# Altium PCB Bran_Main_Assay_PCB_v2.PcbDoc (part 13 of 15)
Units mil, origin at the board's own origin, x right, y up, seen from the top; angles counter-clockwise.
Board outline 3608.46 x 1899.79 mil, 6 copper layers (TOP, GND1, Singal, POWER, GND2, BOTTOM), stack 31.508 mil thick; 363 components, 288 nets, 1386 pads, 975 vias.
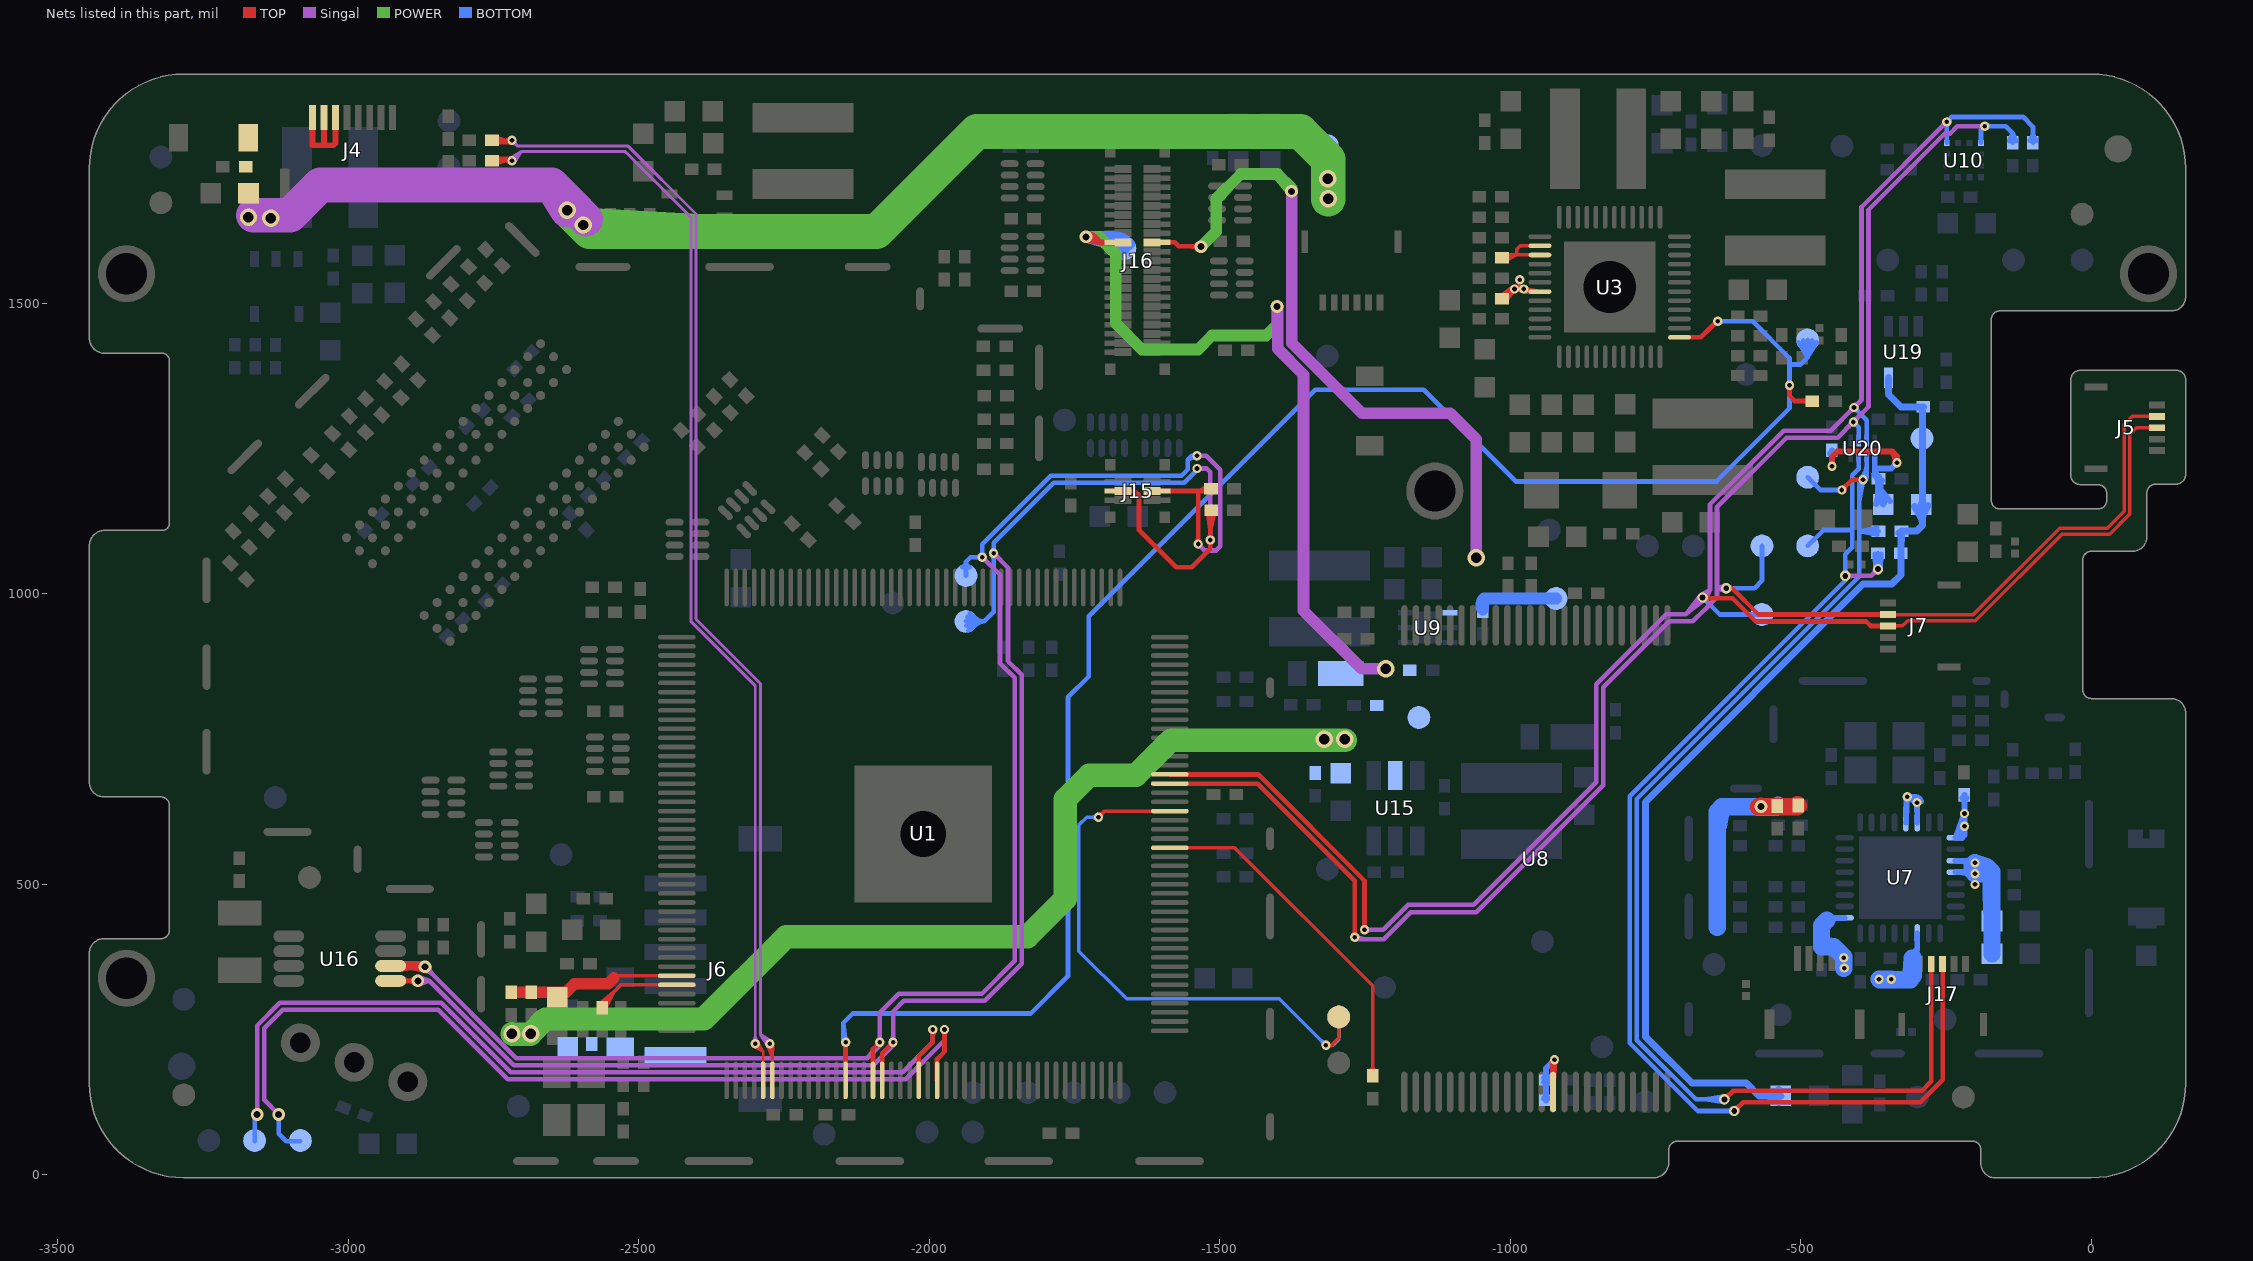
[diagram p17: the nets of this part, all layers, seen from the top]

## Via types
v1: diameter 16, hole 8, TOP to BOTTOM, tented both sides, 431 vias
v2: diameter 18, hole 10, TOP to BOTTOM, tented both sides, 257 vias
v3: diameter 22, hole 12, TOP to BOTTOM, tented both sides, 194 vias
v4: diameter 30, hole 18, TOP to BOTTOM, tented both sides, 69 vias
v5: diameter 24, hole 13, TOP to BOTTOM, tented both sides, 11 vias
v6: diameter 19.68, hole 7.87, TOP to BOTTOM, 9 vias
v7: diameter 22, hole 2, TOP to BOTTOM, tented both sides, 2 vias
v8: diameter 17.99, hole 10, TOP to BOTTOM, tented both sides, 1 vias
v9: diameter 20, hole 10, TOP to BOTTOM, tented both sides, 1 vias

## Nets (pads, with @x,y where several pads share a name; then routed paths per layer and width w, separated by ;. In a path a pad name is that pad's centre, name@x,y a point inside that pad or via, vN(x,y) a via of type N, cw(c..) or ccw(c..) an arc to the next point about the centre after c; other vN are vias at no path point) (continued)
TWI0-SDA: R7.2 TP6.1 U1.102 U3.1 | length 3926.7
  TOP w5: v1@-2144.29,228.03 v1(-2144.02,228.31)
  TOP w8: v1@-2146.84,225.48 cw(c-2153.01,219.31) -2144.29,219.31 ; U1.102@-2144.29,162.71 v1@-2144.29,228.03 ; U1.102@-2144.29,191.26 -2144.29,219.19 v1(-2144.02,228.31) ; -2144.29,217.99 cw(c-2133.7,217.99) v1@-2141.19,225.48 ; U3.1@-708.94,1441.69 -671.96,1441.69 ; U3.1@-693.19,1441.69 -671.96,1441.69 ; -668.62,1445.03 v1(-643.16,1469.17) -644.48,1469.17 -671.96,1441.69 ; -652.25,1461.4 cw(c-643.16,1452.31) v1@-643.16,1465.17 ; v1@-522.29,1356.17 cw(c-529.12,1349.34) -519.46,1349.34 cw(c-509.81,1349.34) v1@-516.64,1356.17 ; R7.2@-486.25,1327.87 ccw(c-496.22,1317.89) -496.22,1332 ccw(c-496.22,1346.1) R7.2@-486.25,1336.13 ; R7.2@-484.01,1326.47 -492.57,1332.48 ; R7.2@-484.01,1337.53 -492.57,1331.52 ; R7.2@-483.49,1326.32 -492.57,1331.52 ; R7.2@-483.49,1337.68 -492.57,1332.48 ; R7.2@-479.15,1332 R7.2@-480.15,1332 -510.46,1332 -519.46,1341 ; v1(-2144.02,228.31) -2144.29,196.3 v1(-2144.02,228.31) ; -519.46,1341 v1(-519.46,1359) -519.46,1341 ; -492.57,1331.52 -482.12,1332 -492.57,1332.48
  BOTTOM w8: -2148.45,248.67 ccw(c-2123.66,248.67) v1@-2141.19,231.14 ; -2147.6,242.25 v1(-2144.02,228.31) ; v1(-643.16,1469.17) -582.63,1469.17 -519.46,1406 -519.46,1395 ; v1@-640.33,1466.34 cw(c-633.5,1459.51) -633.5,1469.17 cw(c-633.5,1478.82) v1@-640.33,1471.99 ; v1@-522.29,1356.17 cw(c-529.12,1349.34) -519.46,1349.34 cw(c-509.81,1349.34) v1@-516.64,1356.17 ; v1@-522.29,1361.83 ccw(c-529.12,1368.66) -519.46,1368.66 ccw(c-509.81,1368.66) v1@-516.64,1361.83 ; -519.46,1327 v1(-519.46,1359) ; TP6.1@-503.32,1432.87 -488.19,1407.28 ; TP6.1@-503.23,1432.57 -490.19,1416.07 ; TP6.1@-502.12,1429.8 -486.19,1416.07 ; TP6.1@-497.04,1424.06 cw(c-508.52,1407.28) -488.19,1407.28 ; TP6.1@-495.84,1436.33 -490.19,1416.07 ; TP6.1@-495.81,1436.01 -488.19,1407.28 ; TP6.1@-495.58,1434.89 -486.19,1416.07 ; TP6.1@-480.8,1434.89 -490.19,1416.07 ; TP6.1@-480.57,1436.01 -488.19,1407.28 ; TP6.1@-480.53,1436.33 -486.19,1416.07 ; TP6.1@-479.33,1424.06 ccw(c-467.85,1407.28) -488.19,1407.28 ; TP6.1@-474.26,1429.8 -490.19,1416.07 ; TP6.1@-473.14,1432.57 -486.19,1416.07 ; TP6.1@-473.06,1432.87 -488.19,1407.28 ; -2148.45,261.49 v1(-2144.02,228.31) ; -2148.45,261.49 -2132.13,277.81 -1825.5,277.81 -1761.45,341.86 -1761.45,821.83 -1725.45,857.83 -1725.45,961.92 -1335.87,1351.5 -1148.81,1351.5 -990.94,1193.64 -645.15,1193.64 -519.46,1319.32 v1(-519.46,1359) ; -2148.45,261.49 -2148.45,232.74 v1(-2144.02,228.31) ; v1(-519.46,1359) -519.46,1395 ; -519.46,1395 -500.46,1395 -488.19,1407.28 ; -490.19,1416.07 TP6.1@-488.19,1437.01 ; -488.19,1407.28 TP6.1@-488.19,1437.01 ; -488.19,1407.28 TP6.1@-488.19,1437.01 ; TP6.1@-488.19,1437.01 -486.19,1416.07
TWI1-SCK: J15.3 R6.2 TP28.1 U1.105 U16.6 | length 4078.7
  TOP w8: U16.6@-2927.25,359.83 U16.6@-2927.42,359.66 -2926.04,358.28 v3(-2868.18,358.28) ; U16.6@-2910.76,353.43 v3@-2876.83,358.28 ; U16.6@-2910.26,365.84 v3@-2876.83,358.28 ; U16.6@-2909.94,353.53 -2897.81,358.96 ; U16.6@-2909.3,365.64 -2897.81,358.96 ; U16.6@-2906.67,355.25 cw(c-2899.35,347.93) -2899.35,358.28 ; U16.6@-2906.67,364.07 ccw(c-2892.69,378.05) -2892.69,358.28 ; v3@-2873.13,353.33 ccw(c-2885.08,341.38) -2885.08,358.28 ccw(c-2885.08,375.18) v3@-2873.13,363.23 ; v3@-2870.44,351.66 -2880.71,358.86 ; v3@-2870.44,364.91 -2880.71,357.71 ; v3@-2870.03,351.53 U16.6@-2903.24,364.25 ; v3@-2869.83,351.48 -2880.71,357.71 ; v3@-2869.83,365.09 -2880.71,358.86 ; v3@-2869.09,351.34 U16.6@-2903.19,359.34 ; v3@-2868.88,351.32 U16.6@-2903.18,358.28 ; v3@-2868.88,365.25 U16.6@-2903.18,358.28 ; v3@-2868.67,365.27 U16.6@-2903.19,359.34 ; v3@-2867.69,365.27 U16.6@-2903.24,364.25 ; U1.105@-2097.04,162.71 -2097.04,216.72 ; U1.105@-2097.04,191.26 -2097.04,216.72 ; v1@-2089.45,228.31 cw(c-2099.11,228.31) -2092.28,221.48 cw(c-2085.45,214.65) v1@-2085.45,224.31 ; J15.3@-1589.37,1177.17 -1560.65,1177.17 ; v1@-1540.28,1088.66 ccw(c-1547.11,1095.48) -1537.45,1095.48 ccw(c-1527.79,1095.48) v1@-1534.62,1088.66 ; -1539.84,1177.17 ccw(c-1539.84,1203.48) R6.2@-1521.23,1184.87 ; v1(-1537.45,1085.83) -1537.45,1176.17 ; R6.2@-1519.1,1186.23 -1533.03,1178.06 ; R6.2@-1517.19,1174.9 -1533.03,1178.06 ; R6.2@-1517.1,1180.74 -1533.03,1178.06 ; R6.2@-1515.13,1180.74 -1518.71,1177.17 J15.3@-1593.5,1177.17 ; U16.6@-2903.24,364.25 v3(-2868.18,358.28) ; U16.6@-2903.18,358.28 v3(-2868.18,358.28) ; U16.6@-2903.19,359.34 v3(-2868.18,358.28) ; -2897.81,358.96 -2911.08,359.66 v3@-2876.83,358.28 ; -2880.71,357.71 v3(-2868.18,358.28) ; -2880.71,358.86 v3(-2868.18,358.28) ; -2097.04,216.72 v1(-2085.45,228.31) -2097.04,216.72 ; J15.3@-1593.5,1177.17 -1609.25,1177.17 -1597.64,1177.17 J15.3@-1616.73,1177.17 J15.3@-1593.5,1177.17
  Singal w8: v3@-2868.18,351.28 cw(c-2868.18,334.38) -2856.23,346.33 cw(c-2844.28,358.28) v3@-2861.18,358.28 ; v3(-2868.18,358.28) -2710.73,200.83 -2106.45,200.83 ; -2096.86,210.42 ccw(c-2114.75,228.31) v1@-2089.45,228.31 ; -2092.84,215.66 v1(-2085.45,228.31) ; v1@-2088.28,231.14 ccw(c-2095.11,237.96) -2085.45,237.96 ccw(c-2075.79,237.96) v1@-2082.62,231.14 ; v1@-1909.02,1059.31 cw(c-1909.02,1049.65) -1902.19,1056.48 cw(c-1895.36,1063.31) v1@-1905.02,1063.31 ; v1(-1909.02,1063.31) -1878.45,1032.74 -1878.45,880.98 -1853.02,855.55 -1853.02,368.28 -1909.46,311.83 -2052.45,311.83 -2085.45,278.83 v1(-2085.45,228.31) ; v1(-1539.45,1237.83) -1523.45,1237.83 -1499.45,1213.83 -1499.45,1081.83 -1506.45,1074.83 -1526.45,1074.83 v1(-1537.45,1085.83) ; v1@-1537.45,1081.83 cw(c-1537.45,1072.17) -1530.62,1079 cw(c-1523.79,1085.83) v1@-1533.45,1085.83 ; v1@-1536.62,1235 cw(c-1529.79,1228.17) -1529.79,1237.83 cw(c-1529.79,1247.48) v1@-1536.62,1240.66 ; -2106.45,200.83 v1(-2085.45,228.31) ; -2106.45,200.83 -2085.45,221.83 v1(-2085.45,228.31)
  BOTTOM w8: TP28.1@-1943.28,1045.87 ccw(c-1947.47,1055.46) -1937.01,1055.46 ; TP28.1@-1937.01,1031.5 -1937.01,1055.46 ; TP28.1@-1930.73,1045.87 cw(c-1926.55,1055.46) -1937.01,1055.46 ; v1@-1911.84,1060.48 ccw(c-1918.67,1053.65) -1918.67,1063.31 ccw(c-1918.67,1072.96) -1911.84,1066.14 ccw(c-1918.67,1072.96) -1909.02,1072.96 ccw(c-1899.36,1072.96) v1@-1906.19,1066.14 ; -1548.01,1234.7 v1(-1539.45,1237.83) ; v1@-1542.42,1235.15 ccw(c-1548.45,1229.7) -1548.45,1237.83 ; v1@-1542.42,1240.51 cw(c-1548.45,1245.95) -1548.45,1237.83 ; v1@-1540.82,1234.07 ccw(c-1545.59,1220.97) -1555.45,1230.83 ; -1937.01,1055.46 -1929.16,1063.31 ; -1929.16,1063.31 v1(-1909.02,1063.31) ; -1929.16,1063.31 v1(-1909.02,1063.31) ; v1(-1909.02,1063.31) -1909.02,1085.42 -1790.85,1203.58 -1566.06,1203.58 -1555.45,1214.2 -1555.45,1230.83 ; -1555.45,1230.83 v1(-1539.45,1237.83) ; -1555.45,1230.83 -1548.45,1237.83 ; -1548.45,1237.83 v1(-1539.45,1237.83) ; -1548.45,1237.83 v1(-1539.45,1237.83) ; -1548.45,1237.83 v1(-1539.45,1237.83)
TWI1-SDA: J15.4 R5.2 TP29.1 U1.106 U16.5 | length 4031.2
  TOP w5: J15.4@-1689.96,1177.17 J15.4@-1666.73,1177.17 J15.4@-1685.83,1177.17 ; J15.4@-1684.25,1175.59 cw(c-1680.46,1171.8) -1680.46,1177.17 cw(c-1680.46,1182.54) J15.4@-1684.25,1178.74
  TOP w8: U16.5@-2925.89,335.59 U16.5@-2927.42,334.07 -2927.35,334 v3(-2880.46,334) -2892.99,334.58 ; U16.5@-2911.08,334.07 -2899.81,334.52 ; U16.5@-2909.6,340.13 -2899.81,334.52 ; U16.5@-2909.12,328.15 -2899.81,334.52 ; U16.5@-2906.67,329.66 cw(c-2896.19,319.19) -2896.19,334 ; U16.5@-2906.67,338.48 ccw(c-2895.85,349.3) -2895.85,334 ; v3@-2885.41,329.05 ccw(c-2897.36,317.1) -2897.36,334 ccw(c-2897.36,350.9) v3@-2885.41,338.95 ; v3@-2882.73,327.38 -2892.99,334.58 ; v3@-2882.11,340.8 -2892.99,334.58 ; U1.106@-2081.3,162.71 -2081.3,209.46 ; U1.106@-2081.3,191.26 -2081.3,209.46 ; v1@-2066.45,228.31 cw(c-2076.11,228.31) -2069.28,221.48 cw(c-2062.45,214.65) v1@-2062.45,224.31 ; J15.4@-1666.73,1177.17 -1646.36,1177.17 ; J15.4@-1659.25,1177.17 -1646.36,1177.17 ; R5.2@-1522.6,1142.49 -1516.99,1132.77 ; R5.2@-1521.08,1139.86 cw(c-1532.27,1128.67) -1516.45,1128.67 ; R5.2@-1520.82,1143.74 -1516.45,1110.09 ; v1@-1519.28,1090 cw(c-1526.11,1083.17) -1516.45,1083.17 cw(c-1506.79,1083.17) v1@-1513.62,1090 ; v1@-1519.28,1095.66 ccw(c-1526.11,1102.48) -1516.45,1102.48 ccw(c-1506.79,1102.48) v1@-1513.62,1095.66 ; R5.2@-1516.95,1143.99 -1516.99,1132.77 ; -1516.45,1131.1 cw(c-1504.06,1131.1) R5.2@-1512.82,1139.86 ; R5.2@-1516.13,1146.74 -1516.45,1146.43 -1516.45,1143.99 v1(-1516.45,1092.83) ; R5.2@-1514.98,1143.99 -1516.45,1110.09 ; R5.2@-1511.32,1142.45 -1516.99,1132.77 ; R5.2@-1509.19,1143.24 -1516.45,1110.09 ; -2081.3,209.46 v1(-2062.45,228.31) -2081.3,209.46 ; -1646.36,1177.17 -1639.1,1169.91 -1639.1,1109.8 -1575.3,1045.99 -1548.07,1045.99 -1516.45,1077.61 ; -1516.45,1077.61 v1(-1516.45,1092.83) ; -1516.45,1077.61 v1(-1516.45,1092.83)
  Singal w8: v3@-2879.21,327.11 -2860.87,334 ; v3@-2879.21,340.89 -2860.87,334 ; v3@-2878.82,327.2 -2867.94,333.42 ; v3@-2878.82,340.8 -2867.94,334.58 ; v3@-2878.2,327.38 -2867.94,334.58 ; v3@-2878.2,340.62 -2867.94,333.42 ; v3@-2875.51,329.05 cw(c-2863.57,317.1) -2863.57,334 cw(c-2863.57,350.9) v3@-2875.51,338.95 ; -2084.61,200.67 v1(-2062.45,228.31) ; -2073.15,212.12 ccw(c-2089.34,228.31) v1@-2066.45,228.31 ; -2069.51,216.86 v1(-2062.45,228.31) ; v1@-2065.28,231.14 ccw(c-2072.11,237.96) -2062.45,237.96 ccw(c-2052.79,237.96) v1@-2059.62,231.14 ; v1@-1889.45,1065.83 cw(c-1889.45,1056.17) -1882.62,1063 cw(c-1875.79,1069.83) v1@-1885.45,1069.83 ; v1(-1889.45,1069.83) -1864.65,1045.02 -1864.65,884.15 -1841.02,860.52 -1841.02,363.31 -1904.49,299.83 -2043.93,299.83 -2062.45,281.31 v1(-2062.45,228.31) ; v1(-1539.45,1215.83) -1522.45,1215.83 -1516.45,1209.83 v1(-1516.45,1092.83) ; v1@-1536.62,1213 cw(c-1529.79,1206.17) -1529.79,1215.83 cw(c-1529.79,1225.48) v1@-1536.62,1218.66 ; v1@-1519.28,1095.66 ccw(c-1526.11,1102.48) -1516.45,1102.48 ccw(c-1506.79,1102.48) v1@-1513.62,1095.66 ; v3(-2880.46,334) -2867.94,334.58 ; v3(-2880.46,334) -2867.94,333.42 ; v3(-2880.46,334) -2860.87,334 ; -2860.87,334 -2715.7,188.83 -2096.45,188.83 -2062.45,222.83 v1(-2062.45,228.31)
  BOTTOM w8: TP29.1@-1936.33,945.1 -1914.94,950.86 ; TP29.1@-1935.03,960.18 -1914.94,950.86 ; TP29.1@-1932.73,937.67 -1914.94,950.86 ; TP29.1@-1930.22,966.9 -1914.94,950.86 ; TP29.1@-1924.44,943.37 cw(c-1905.71,929.37) -1905.71,952.76 ; TP29.1@-1924.44,962.14 ccw(c-1905.71,976.14) -1905.71,952.76 ; v1@-1892.28,1067 cw(c-1899.11,1060.17) -1889.45,1060.17 cw(c-1879.79,1060.17) v1@-1886.62,1067 ; v1@-1892.28,1072.66 ccw(c-1899.11,1079.48) -1889.45,1079.48 ccw(c-1879.79,1079.48) v1@-1886.62,1072.66 ; -1889.45,1037.83 v1(-1889.45,1069.83) ; v1(-1539.45,1215.83) -1539.45,1213.23 -1561.09,1191.58 -1785.88,1191.58 -1889.45,1088.02 v1(-1889.45,1069.83) ; -1914.94,950.86 TP29.1@-1937.01,952.76 -1905.71,952.76 ; -1905.71,952.76 -1889.45,969.02 v1(-1889.45,1069.83)
TWI2-SCK: J5.3 J7.3 R4.2 TP35.1 U1.161 U10.1 U20.7 | length 4606.3
  TOP w6: J7.3@-349.59,944.89 -325.37,944.89 ; J7.3@-341.72,944.89 -325.37,944.89 ; J7.3@-339.66,942.83 cw(c-334.7,937.87) -334.7,944.89 cw(c-334.7,951.9) J7.3@-339.66,946.94 ; 80.92,1286 J5.3@104.83,1286 ; J5.3@102.77,1283.95 ccw(c97.81,1278.99) 97.81,1286 ccw(c97.81,1293.01) J5.3@102.77,1288.05 ; J5.3@112.7,1286 77.54,1286 66.54,1275 66.54,1137.86 31.68,1103 -50.46,1103 -199.46,954 -316.25,954 -325.37,944.89
  TOP w8: U1.161@-1586.22,689.28 -1433.69,689.28 -1251.02,506.61 v1(-1251.02,421.83) ; U1.161@-1557.67,689.28 -1529.74,689.28 ; v1@-1253.84,424.66 ccw(c-1260.67,431.49) -1251.02,431.49 ccw(c-1241.36,431.49) v1@-1248.19,424.66 ; v2(-669.02,993.83) -667.52,992.33 -617.63,992.33 -577.87,952.57 -387.13,952.57 -379.45,944.89 ; v2@-665.48,997.37 ccw(c-653.32,1009.53) -653.32,992.33 ; J7.3@-357.47,944.89 -379.45,944.89 ; J7.3@-349.59,944.89 -379.45,944.89
  Singal w8: v1(-1251.02,421.83) -1219.04,421.83 -1176.05,464.83 -1062.98,464.83 -852.02,675.79 -852.02,844.42 -731.44,965 -697.85,965 v2(-669.02,993.83) ; v1@-1248.19,419.01 cw(c-1241.36,412.18) -1241.36,421.83 cw(c-1241.36,431.49) v1@-1248.19,424.66 ; v2@-674.02,993.83 cw(c-686.09,993.83) -677.55,985.3 cw(c-669.02,976.76) v2@-669.02,988.83 ; v2@-672.78,997.12 -694.99,967.86 ; v2@-672.02,997.83 -656.35,1006.51 ; v2@-669.02,998.83 ccw(c-669.02,1010.91) -660.48,1002.37 ccw(c-651.94,993.83) v2@-664.02,993.83 ; v2@-665.73,990.07 -694.99,967.86 ; v2@-665.02,990.83 -656.35,1006.51 ; -433.44,1296.03 v1(-408.46,1321) ; v1@-412.46,1321 cw(c-422.12,1321) -415.29,1314.17 cw(c-408.46,1307.34) v1@-408.46,1317 ; v1@-408.46,1325 ccw(c-408.46,1334.66) -401.64,1327.83 ccw(c-394.81,1321) v1@-404.46,1321 ; -273.95,1787.52 v1(-248.98,1812.49) -395.46,1666 -395.46,1334 v1(-408.46,1321) ; v1@-252.98,1812.49 cw(c-262.63,1812.49) -255.8,1805.66 cw(c-248.98,1798.83) v1@-248.98,1808.49 ; -694.99,967.86 v2(-669.02,993.83) ; v2(-669.02,993.83) -656.35,1006.51 ; -656.35,1006.51 -656.35,1154.12 -529.64,1280.83 -448.64,1280.83 v1(-408.46,1321)
  BOTTOM w8: v2@-669.02,988.83 cw(c-669.02,976.76) -660.48,985.3 cw(c-651.94,993.83) v2@-664.02,993.83 ; v2(-669.02,993.83) -639.75,964.57 TP35.1@-566.93,964.57 ; v1@-408.46,1317 cw(c-408.46,1307.34) -401.64,1314.17 cw(c-394.81,1321) v1@-404.46,1321 ; v1(-408.46,1321) -386.57,1299.11 U20.7@-386.57,1264.19 ; U20.7@-386.57,1270.68 -386.57,1298.62 ; v1@-251.8,1809.66 cw(c-258.63,1802.83) -248.98,1802.83 cw(c-239.32,1802.83) v1@-246.15,1809.66 ; U10.1@-248.98,1776.35 v1(-248.98,1812.49) ; U10.1@-248.98,1776.85 v1@-248.98,1805.77 ; v1@-248.98,1816.49 ccw(c-248.98,1826.15) -242.15,1819.32 ccw(c-235.32,1812.49) v1@-244.98,1812.49 ; R4.2@-106.13,1779.85 -100.93,1788.93 ; R4.2@-105.98,1780.37 -99.97,1788.93 ; R4.2@-104.58,1782.61 ccw(c-114.55,1792.59) -100.45,1792.59 ccw(c-86.34,1792.59) R4.2@-96.32,1782.61 ; R4.2@-100.45,1776.51 -100.45,1804 -117.45,1821 -240.46,1821 v1(-248.98,1812.49) ; R4.2@-94.92,1780.37 -100.93,1788.93 ; R4.2@-94.77,1779.85 -99.97,1788.93 ; v1(-248.98,1812.49) -248.98,1780.49 v1(-248.98,1812.49) ; -100.93,1788.93 -100.45,1778.48 -99.97,1788.93
TWI2-SDA: J5.2 J7.4 R3.2 TP36.1 U1.160 U10.4 U20.6 | length 4738.8
  TOP w6: J7.4@-349.59,964.57 -349.02,964 -203.61,964 -54.61,1113 27.54,1113 56.54,1142 56.54,1292 70.22,1305.69 J5.2@112.7,1305.69 ; J7.4@-339.66,966.63 ccw(c-333.32,972.97) -333.32,964 ; -335.64,964.31 -341.72,964.57 -317.8,964 ; 80.92,1305.69 J5.2@104.83,1305.69 ; J5.2@102.77,1303.63 ccw(c97.81,1298.67) 97.81,1305.69 ccw(c97.81,1312.7) J5.2@102.77,1307.74
  TOP w8: U1.160@-1586.22,673.53 -1434.91,673.53 -1268.02,506.64 v1(-1268.02,408.83) ; U1.160@-1557.67,673.53 -1529.74,673.53 ; v1@-1270.84,411.66 ccw(c-1277.67,418.49) -1268.02,418.49 ccw(c-1258.36,418.49) v1@-1265.19,411.66 ; v2(-628.45,1009.83) -618.15,1009.83 ; v2@-624.52,1006.73 cw(c-618.15,1001.72) -618.15,1009.83 ; v2@-624.52,1012.92 ccw(c-618.15,1017.93) -618.15,1009.83 ; -387.37,964.57 J7.4@-357.47,964.57 ; J7.4@-349.59,964.57 -572.89,964.57 -618.15,1009.83
  Singal w5: -1057.91,450.8 -839.02,669.7 -839.02,690.26
  Singal w8: v1@-1265.19,411.66 ccw(c-1251.12,425.73) -1251.12,405.83 ; -1256.27,406.51 v1(-1268.02,408.83) -1265.02,405.83 -1218.07,405.83 -1171.6,452.3 -1058.53,452.3 -840.02,670.82 -840.02,839.45 -726.46,953 -685.81,953 -666.45,972.36 ; -654.22,984.59 -666.45,972.36 ; v2@-631.98,1006.29 ccw(c-640.52,997.76) -640.52,1009.83 ccw(c-640.52,1021.9) v2@-631.98,1013.36 ; v2@-629.24,1004.89 -644.35,1009.83 ; v2@-629.24,1014.76 -644.35,1009.83 ; -434.44,1271.03 v1(-409.46,1296) ; v1@-413.46,1296 cw(c-423.12,1296) -416.29,1289.17 cw(c-409.46,1282.34) v1@-409.46,1292 ; v1@-409.46,1300 ccw(c-409.46,1309.66) -402.64,1302.83 ccw(c-395.81,1296) v1@-405.46,1296 ; -215.46,1805 v1(-183.46,1805) -230.46,1805 -242.96,1792.5 -251.99,1792.5 -383.46,1661.03 -383.46,1322 v1(-409.46,1296) ; v1@-186.29,1802.17 ccw(c-193.12,1795.34) -193.12,1805 ccw(c-193.12,1814.66) v1@-186.29,1807.83 ; -666.45,972.36 -666.45,971.83 -644.35,993.94 -644.35,1009.83 ; -644.35,1009.83 v2(-628.45,1009.83) -644.35,1009.83 ; -644.35,1009.83 -644.35,1149.12 -524.64,1268.83 -436.64,1268.83 v1(-409.46,1296)
  BOTTOM w8: v2(-628.45,1009.83) -579.64,1009.83 -566.93,1022.54 TP36.1@-566.93,1082.68 ; v2@-624.91,1006.29 cw(c-616.38,997.76) -616.38,1009.83 cw(c-616.38,1021.9) v2@-624.91,1013.36 ; v1@-409.46,1292 cw(c-409.46,1282.34) -402.64,1289.17 cw(c-395.81,1296) v1@-405.46,1296 ; v1(-409.46,1296) -400.35,1286.89 ; U20.6@-400.35,1264.19 -400.35,1286.89 ; U20.6@-400.35,1270.68 -400.35,1286.89 ; U10.4@-189.92,1776.35 -189.92,1799 ; U10.4@-189.92,1776.85 -189.92,1799 ; v1@-180.64,1802.17 cw(c-173.81,1795.34) -173.81,1805 cw(c-173.81,1814.66) v1@-180.64,1807.83 ; R3.2@-141.17,1779.66 -135.45,1792.98 ; R3.2@-141.13,1779.85 -135.93,1788.93 ; R3.2@-140.98,1780.37 -134.97,1788.93 ; R3.2@-139.58,1782.61 ccw(c-149.55,1792.59) -135.45,1792.59 ccw(c-121.34,1792.59) R3.2@-131.32,1782.61 ; R3.2@-135.45,1776.51 -135.45,1792.98 ; R3.2@-129.92,1780.37 -135.93,1788.93 ; R3.2@-129.73,1779.66 -135.45,1792.98 ; R3.2@-129.77,1779.85 -134.97,1788.93 ; -189.92,1799 -183.92,1805 v1(-183.46,1805) -147.46,1805 -135.45,1792.98 ; -135.93,1788.93 R3.2@-135.45,1778.48 ; R3.2@-135.45,1778.48 -134.97,1788.93 ; R3.2@-135.45,1778.48 -135.45,1792.98
UART0_RX: TP55.1 U1.112 | length 1695.9
  TOP w8: U1.112@-1986.81,162.71 -1986.81,199.38 ; U1.112@-1986.81,191.26 -1986.81,199.38 ; v1@-1976.84,247.48 cw(c-1983.67,240.65) -1974.02,240.65 cw(c-1964.36,240.65) v1@-1971.19,247.48 ; -1974.02,218.31 v1(-1974.02,250.31) -1974.02,212.17 -1986.81,199.38
  Singal w8: v3(-3119.94,103.99) -3144.94,128.99 -3144.94,252.2 -3112.84,284.31 -2845.12,284.31 -2725.64,164.83 -2041.02,164.83 -1974.02,231.83 ; v1@-1976.84,247.48 cw(c-1983.67,240.65) -1974.02,240.65 cw(c-1964.36,240.65) v1@-1971.19,247.48 ; -1974.02,231.83 v1(-1974.02,250.31) -1974.02,231.83
  BOTTOM w8: v3(-3119.94,103.99) -3119.94,70.99 -3107.11,58.16 TP55.1@-3082.68,58.16
UART0_TX: TP54.1 U1.110 | length 1656.8
  TOP w8: U1.110@-2018.3,162.71 -2018.3,204.02 ; U1.110@-2018.3,191.26 -2018.3,204.02 ; v1@-1996.84,247.48 cw(c-2003.67,240.65) -1994.02,240.65 cw(c-1984.36,240.65) v1@-1991.19,247.48 ; -2018.3,204.02 -1994.02,228.31 ; -1994.02,228.31 v1(-1994.02,250.31) -1994.02,228.31
  Singal w8: v3(-3156.94,103.99) -3156.94,257.17 -3117.81,296.31 -2840.15,296.31 -2720.67,176.83 -2045.99,176.83 -1994.02,228.81 ; v1@-1996.84,247.48 cw(c-2003.67,240.65) -1994.02,240.65 cw(c-1984.36,240.65) v1@-1991.19,247.48 ; -1994.02,228.81 v1(-1994.02,250.31) -1994.02,228.81
  BOTTOM w8: TP54.1@-3161.42,58.16 TP54.1@-3161.42,59.06 -3161.42,99.52 v3(-3156.94,103.99)
UBOOT: TP3.1 TP57.1 U1.157 | length 1146
  TOP w6: v1(-1709.02,615.83) -1698.55,626.29 U1.157@-1586.22,626.29 ; v1@-1709.02,620.83 ccw(c-1709.02,632.9) -1700.48,624.36 ccw(c-1691.94,615.83) v1@-1704.02,615.83 ; -1636.7,626.29 U1.157@-1614.76,626.29 ; v1(-1317.46,223) -1308.52,223.41 ; v1@-1316.29,227.86 -1308.52,223.41 ; v1@-1315.85,218.27 -1308.52,223.41 ; v1@-1313.93,219.46 cw(c-1305.39,210.93) -1305.39,223 cw(c-1305.39,235.07) v1@-1313.93,226.54 ; -1308.32,222.64 -1295.28,235.69 TP3.1@-1295.28,271.65
  BOTTOM w6: v1@-1712.55,612.29 ccw(c-1721.09,603.76) -1721.09,615.83 ccw(c-1721.09,627.9) v1@-1712.55,619.36 ; v1@-1710.63,620.56 -1717.96,615.42 ; v1@-1710.19,610.97 -1717.96,615.42 ; v1@-1322.46,223 ccw(c-1334.54,223) -1326,231.54 ccw(c-1317.46,240.07) v1@-1317.46,228 ; TP57.1@-1295.28,270.76 -1295.28,232.66 -1304.94,223 v1(-1317.46,223) -1397.46,303 -1660.46,303 -1742.65,385.18 -1742.65,602.2 -1729.02,615.83 v1(-1709.02,615.83) -1717.96,615.42
USB0-DM: R157.2 U1.93 | length 2462
  TOP w5: R157.2@-2752.76,1745.74 v1(-2718.45,1745.74) ; R157.2@-2749.71,1738.48 v1@-2725.95,1745.74 ; R157.2@-2749.71,1753 v1@-2725.95,1745.74 ; R157.2@-2749.07,1738.6 -2737.66,1745.14 ; R157.2@-2749.07,1752.88 -2737.66,1746.34 ; R157.2@-2748.42,1738.79 -2737.66,1746.34 ; R157.2@-2748.42,1752.69 -2737.66,1745.14 ; R157.2@-2745.6,1740.55 cw(c-2733.07,1728.01) -2733.07,1745.74 cw(c-2733.07,1763.47) R157.2@-2745.6,1750.93 ; v1@-2722.34,1741.85 ccw(c-2731.73,1732.46) -2731.73,1745.74 ccw(c-2731.73,1759.02) v1@-2722.34,1749.63 ; v1@-2720.23,1740.53 -2728.29,1746.19 ; v1@-2720.22,1750.95 -2728.29,1745.29 ; v1@-2720.18,1740.52 R157.2@-2742.14,1750.69 ; v1@-2719.74,1740.39 -2728.29,1745.29 ; v1@-2719.74,1751.09 -2728.29,1746.19 ; v1@-2717.94,1751.22 R157.2@-2742.14,1750.69 ; v1@-2302.94,221.42 -2286.02,212.2 ; v1@-2299.65,220.33 cw(c-2299.65,207.05) -2290.26,216.44 cw(c-2280.87,225.83) v1@-2294.15,225.83 ; v1(-2299.65,225.83) -2286.02,212.2 ; v1@-2295.24,229.12 -2286.02,212.2 ; U1.93@-2286.02,162.71 -2286.02,212.2 ; U1.93@-2286.02,191.26 -2286.02,210.19 ; R157.2@-2750.8,1745.74 v1@-2725.95,1745.74 ; R157.2@-2750.8,1745.74 -2737.66,1746.34 ; R157.2@-2750.8,1745.74 -2737.66,1745.14 ; R157.2@-2742.14,1750.69 v1(-2718.45,1745.74) ; -2728.29,1745.29 v1(-2718.45,1745.74) ; -2728.29,1746.19 v1(-2718.45,1745.74)